# KiCad board panel.kicad_pcb
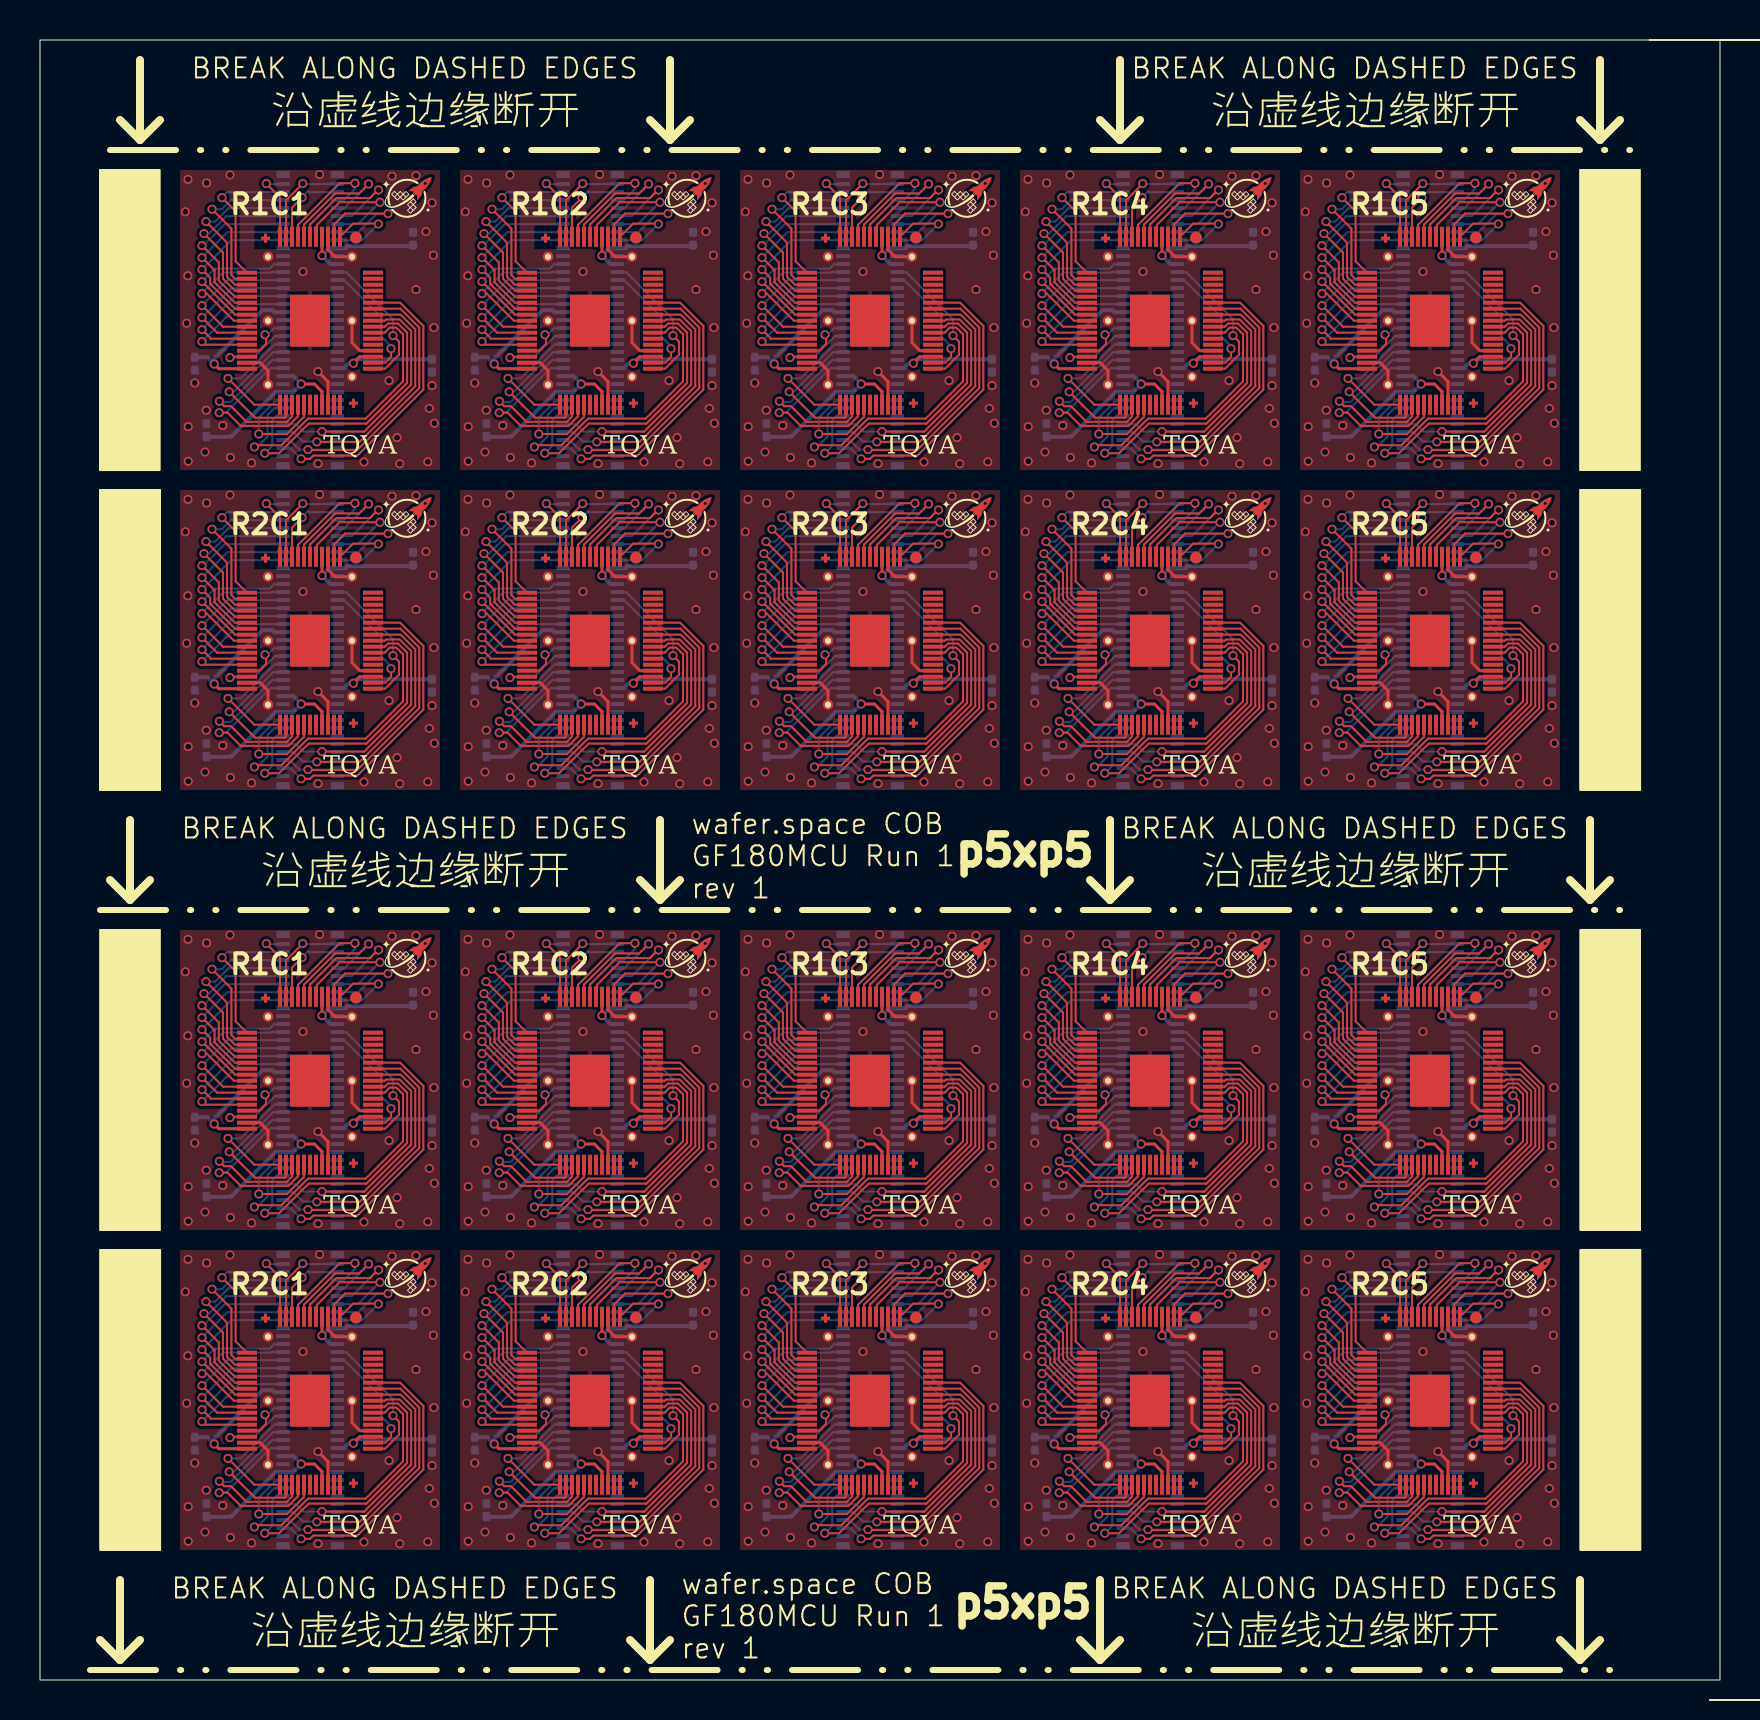
[diagram p0: board, top side]
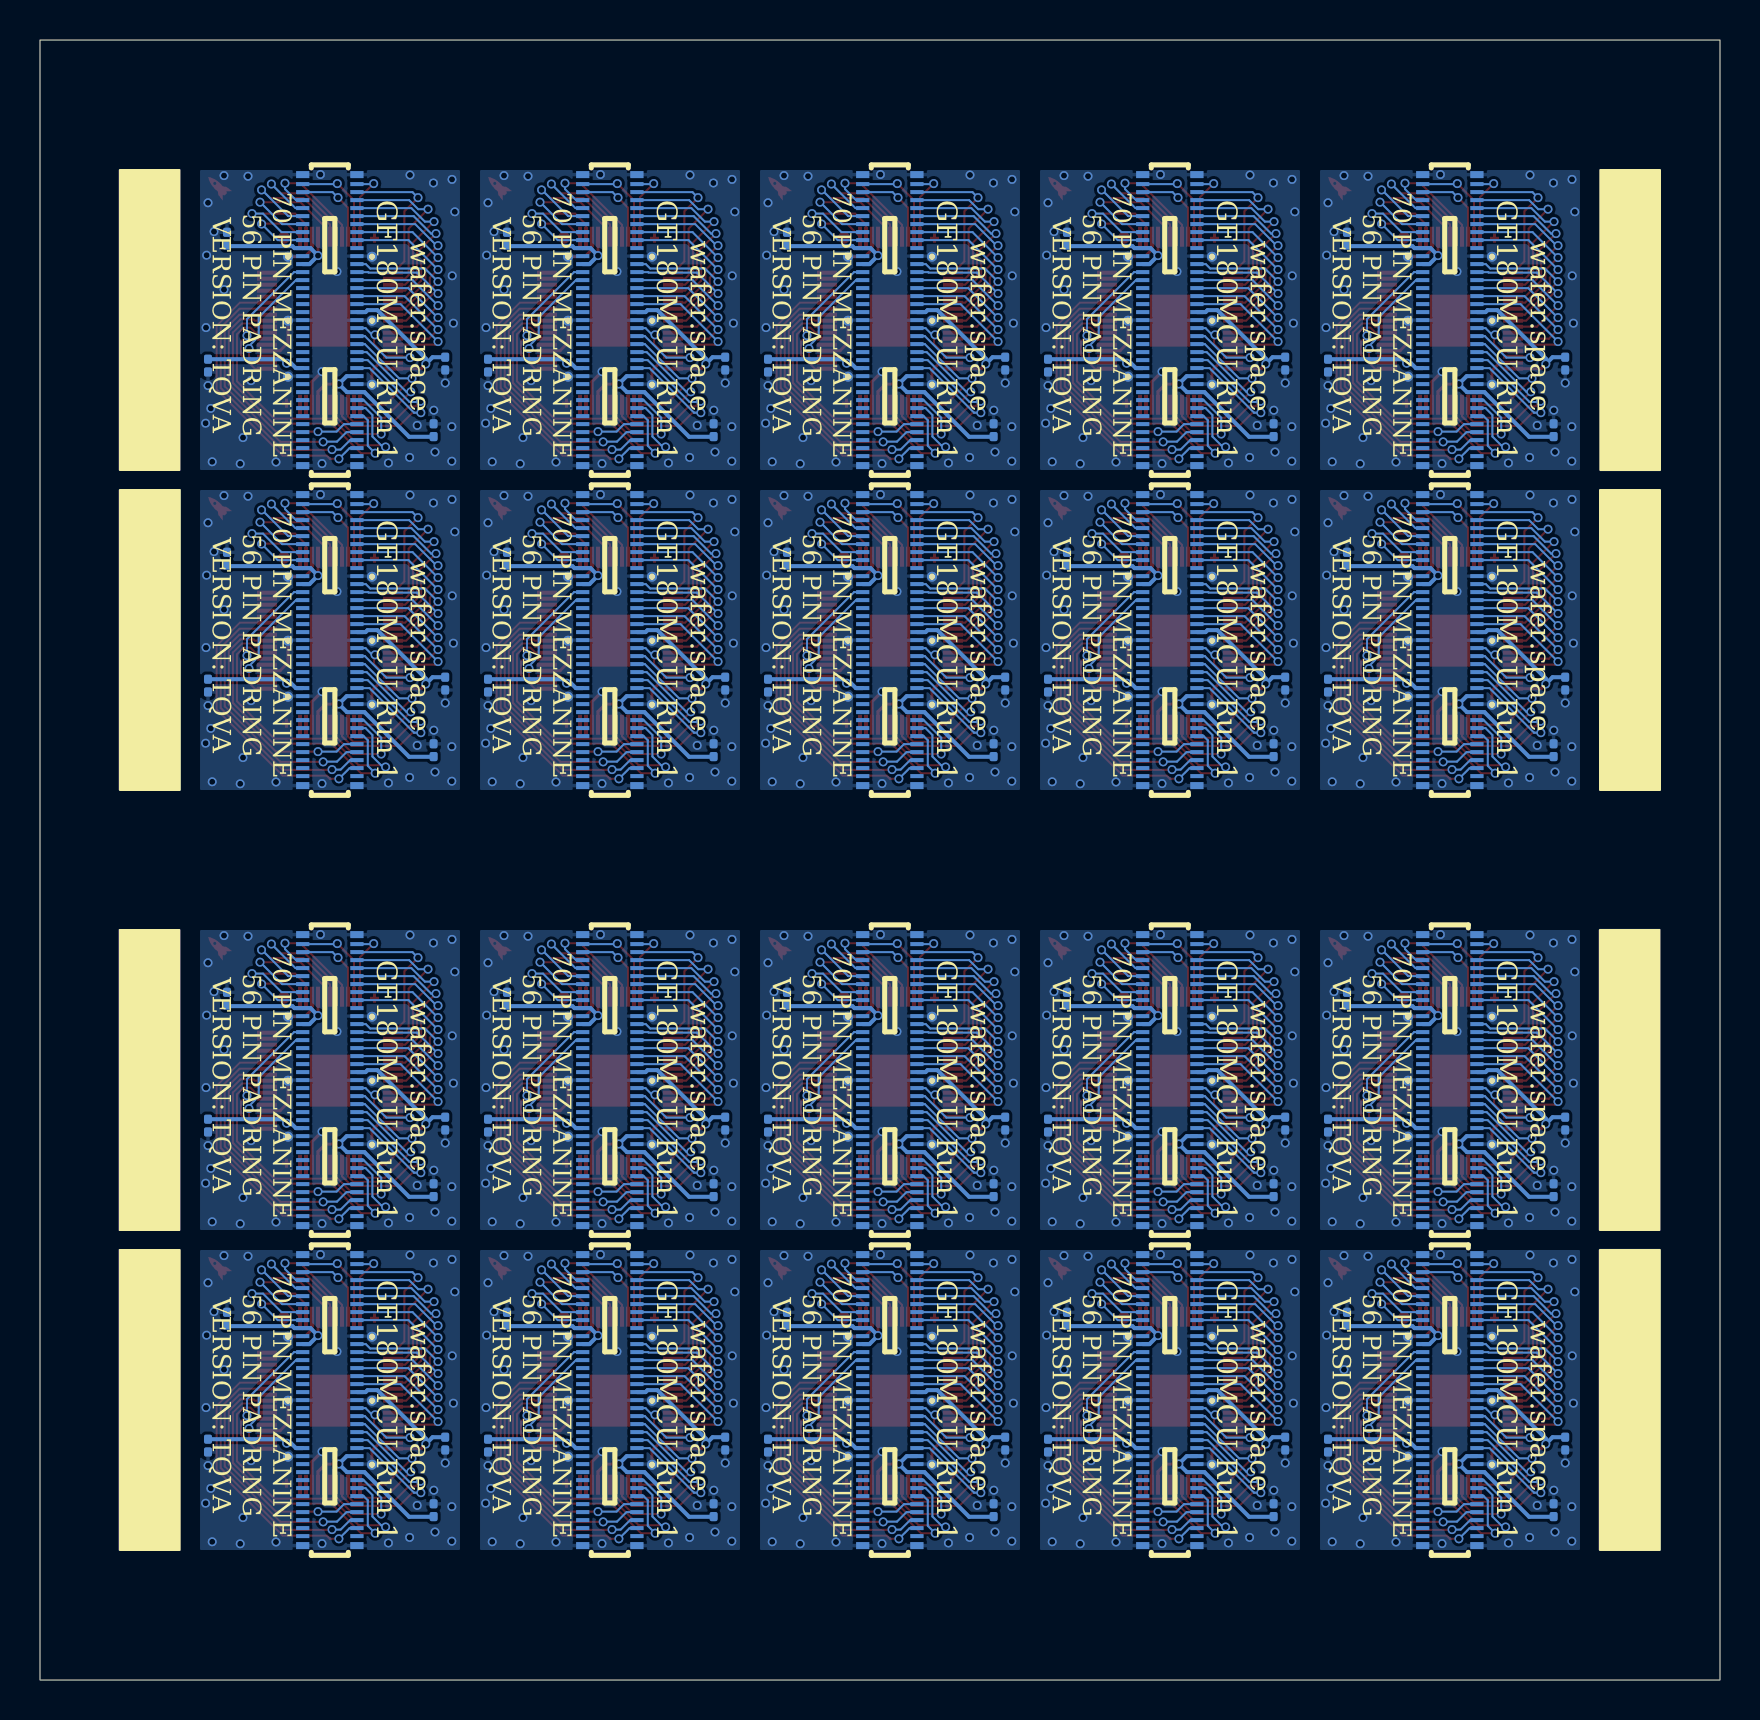
[diagram p1: board, bottom side, seen from below]

Outline 84 x 82 mm; copper layers: Top, Bottom. Coordinates in mm from the lower left corner of the outline.
Outline path: rectangle 0,82 84,0
Stack: Top 0.0175mm / dielectric 1.1533mm FR4 er 4.5 / Bottom 0.0175mm

## Placement (name value [footprint] x y rotation side)
C101  C_Small  [C_0201_0603Metric]  7.74 27.82 270 bottom
C101#2  C_Small  [C_0201_0603Metric]  7.74 65.82 270 bottom
C102  C_Small  [C_0201_0603Metric]  18.65 34.06 90 bottom
C102#2  C_Small  [C_0201_0603Metric]  18.65 72.06 90 bottom
C103  C_Small  [C_0201_0603Metric]  21.74 65.82 270 bottom
C103#2  C_Small  [C_0201_0603Metric]  21.74 27.82 270 bottom
C104  C_Small  [C_0201_0603Metric]  19.6 65.72 270 bottom
C104#2  C_Small  [C_0201_0603Metric]  19.6 27.72 270 bottom
C105  C_Small  [C_0201_0603Metric]  32.65 34.06 90 bottom
C105#2  C_Small  [C_0201_0603Metric]  32.65 72.06 90 bottom
C106  C_Small  [C_0201_0603Metric]  33.6 65.72 270 bottom
C106#2  C_Small  [C_0201_0603Metric]  33.6 27.72 270 bottom
C107  C_Small  [C_0201_0603Metric]  35.74 65.82 270 bottom
C107#2  C_Small  [C_0201_0603Metric]  35.74 27.82 270 bottom
C108  C_Small  [C_0201_0603Metric]  8.32 62.49 90 bottom
C108#2  C_Small  [C_0201_0603Metric]  8.32 24.49 90 bottom
C109  C_Small  [C_0201_0603Metric]  22.32 24.49 90 bottom
C109#2  C_Small  [C_0201_0603Metric]  22.32 62.49 90 bottom
C110  C_Small  [C_0201_0603Metric]  46.65 34.06 90 bottom
C110#2  C_Small  [C_0201_0603Metric]  46.65 72.06 90 bottom
C111  C_Small  [C_0201_0603Metric]  47.6 27.72 270 bottom
C111#2  C_Small  [C_0201_0603Metric]  47.6 65.72 270 bottom
C112  C_Small  [C_0201_0603Metric]  36.32 24.49 90 bottom
C112#2  C_Small  [C_0201_0603Metric]  36.32 62.49 90 bottom
C113  C_Small  [C_0201_0603Metric]  49.74 65.82 270 bottom
C113#2  C_Small  [C_0201_0603Metric]  49.74 27.82 270 bottom
C114  C_Small  [C_0201_0603Metric]  60.65 72.06 90 bottom
C114#2  C_Small  [C_0201_0603Metric]  60.65 34.06 90 bottom
C115  C_Small  [C_0201_0603Metric]  61.6 65.72 270 bottom
C115#2  C_Small  [C_0201_0603Metric]  61.6 27.72 270 bottom
C116  C_Small  [C_0201_0603Metric]  50.32 24.49 90 bottom
C116#2  C_Small  [C_0201_0603Metric]  50.32 62.49 90 bottom
C117  C_Small  [C_0201_0603Metric]  63.74 27.82 270 bottom
C117#2  C_Small  [C_0201_0603Metric]  63.74 65.82 270 bottom
C118  C_Small  [C_0201_0603Metric]  74.65 72.06 90 bottom
C118#2  C_Small  [C_0201_0603Metric]  74.65 34.06 90 bottom
C119  C_Small  [C_0201_0603Metric]  75.6 27.72 270 bottom
C119#2  C_Small  [C_0201_0603Metric]  75.6 65.72 270 bottom
C120  C_Small  [C_0201_0603Metric]  64.32 62.49 90 bottom
C120#2  C_Small  [C_0201_0603Metric]  64.32 24.49 90 bottom
C121  C_Small  [C_0201_0603Metric]  7.74 49.82 270 bottom
C121#2  C_Small  [C_0201_0603Metric]  7.74 11.82 270 bottom
C122  C_Small  [C_0201_0603Metric]  18.65 56.06 90 bottom
C122#2  C_Small  [C_0201_0603Metric]  18.65 18.06 90 bottom
C123  C_Small  [C_0201_0603Metric]  19.6 11.72 270 bottom
C123#2  C_Small  [C_0201_0603Metric]  19.6 49.72 270 bottom
C124  C_Small  [C_0201_0603Metric]  8.32 8.49 90 bottom
C124#2  C_Small  [C_0201_0603Metric]  8.32 46.49 90 bottom
C125  C_Small  [C_0201_0603Metric]  21.74 11.82 270 bottom
C125#2  C_Small  [C_0201_0603Metric]  21.74 49.82 270 bottom
C126  C_Small  [C_0201_0603Metric]  32.65 18.06 90 bottom
C126#2  C_Small  [C_0201_0603Metric]  32.65 56.06 90 bottom
C127  C_Small  [C_0201_0603Metric]  33.6 49.72 270 bottom
C127#2  C_Small  [C_0201_0603Metric]  33.6 11.72 270 bottom
C128  C_Small  [C_0201_0603Metric]  22.32 46.49 90 bottom
C128#2  C_Small  [C_0201_0603Metric]  22.32 8.49 90 bottom
C129  C_Small  [C_0201_0603Metric]  35.74 49.82 270 bottom
C129#2  C_Small  [C_0201_0603Metric]  35.74 11.82 270 bottom
C130  C_Small  [C_0201_0603Metric]  46.65 56.06 90 bottom
C130#2  C_Small  [C_0201_0603Metric]  46.65 18.06 90 bottom
C131  C_Small  [C_0201_0603Metric]  47.6 49.72 270 bottom
C131#2  C_Small  [C_0201_0603Metric]  47.6 11.72 270 bottom
C132  C_Small  [C_0201_0603Metric]  36.32 46.49 90 bottom
C132#2  C_Small  [C_0201_0603Metric]  36.32 8.49 90 bottom
C133  C_Small  [C_0201_0603Metric]  49.74 11.82 270 bottom
C133#2  C_Small  [C_0201_0603Metric]  49.74 49.82 270 bottom
C134  C_Small  [C_0201_0603Metric]  60.65 18.06 90 bottom
C134#2  C_Small  [C_0201_0603Metric]  60.65 56.06 90 bottom
C135  C_Small  [C_0201_0603Metric]  61.6 11.72 270 bottom
C135#2  C_Small  [C_0201_0603Metric]  61.6 49.72 270 bottom
C136  C_Small  [C_0201_0603Metric]  50.32 8.49 90 bottom
C136#2  C_Small  [C_0201_0603Metric]  50.32 46.49 90 bottom
C137  C_Small  [C_0201_0603Metric]  63.74 49.82 270 bottom
C137#2  C_Small  [C_0201_0603Metric]  63.74 11.82 270 bottom
C138  C_Small  [C_0201_0603Metric]  74.65 56.06 90 bottom
C138#2  C_Small  [C_0201_0603Metric]  74.65 18.06 90 bottom
C139  C_Small  [C_0201_0603Metric]  75.6 49.72 270 bottom
C139#2  C_Small  [C_0201_0603Metric]  75.6 11.72 270 bottom
C140  C_Small  [C_0201_0603Metric]  64.32 8.49 90 bottom
C140#2  C_Small  [C_0201_0603Metric]  64.32 46.49 90 bottom
G***  LOGO  [waferspace_pin1_silk]  18.4 74.22 0 top
G***1  LOGO  [waferspace_pin1_silk]  32.4 74.22 0 top
G***1#2  LOGO  [waferspace_pin1_silk]  32.4 36.22 0 top
G***2  LOGO  [waferspace_pin1_silk]  46.4 74.22 0 top
G***2#2  LOGO  [waferspace_pin1_silk]  46.4 36.22 0 top
G***3  LOGO  [waferspace_pin1_silk]  60.4 36.22 0 top
G***3#2  LOGO  [waferspace_pin1_silk]  60.4 74.22 0 top
G***4  LOGO  [waferspace_pin1_silk]  74.4 36.22 0 top
G***4#2  LOGO  [waferspace_pin1_silk]  74.4 74.22 0 top
G***5  LOGO  [waferspace_pin1_silk]  18.4 58.22 0 top
G***5#2  LOGO  [waferspace_pin1_silk]  18.4 20.22 0 top
G***6  LOGO  [waferspace_pin1_silk]  32.4 20.22 0 top
G***6#2  LOGO  [waferspace_pin1_silk]  32.4 58.22 0 top
G***7  LOGO  [waferspace_pin1_silk]  46.4 58.22 0 top
G***7#2  LOGO  [waferspace_pin1_silk]  46.4 20.22 0 top
G***8  LOGO  [waferspace_pin1_silk]  60.4 58.22 0 top
G***8#2  LOGO  [waferspace_pin1_silk]  60.4 20.22 0 top
G***9  LOGO  [waferspace_pin1_silk]  74.4 58.22 0 top
G***9#2  LOGO  [waferspace_pin1_silk]  74.4 20.22 0 top
G***#2  LOGO  [waferspace_pin1_silk]  18.4 36.22 0 top
U101  ~  [CONN-SMD_70P-P0.40_HCTL_HC-PBB40C-70DP-0.4V-02]  13.51 68 270 bottom
U101#2  ~  [CONN-SMD_70P-P0.40_HCTL_HC-PBB40C-70DP-0.4V-02]  13.51 30 270 bottom
U102  ~  [waferspace_p5xp5_padring]  13.5 67.97 0 top
U102#2  ~  [waferspace_p5xp5_padring]  13.5 29.97 0 top
U103  ~  [CONN-SMD_70P-P0.40_HCTL_HC-PBB40C-70DP-0.4V-02]  27.51 68 270 bottom
U103#2  ~  [CONN-SMD_70P-P0.40_HCTL_HC-PBB40C-70DP-0.4V-02]  27.51 30 270 bottom
U104  ~  [waferspace_p5xp5_padring]  27.5 67.97 0 top
U104#2  ~  [waferspace_p5xp5_padring]  27.5 29.97 0 top
U105  ~  [CONN-SMD_70P-P0.40_HCTL_HC-PBB40C-70DP-0.4V-02]  41.51 68 270 bottom
U105#2  ~  [CONN-SMD_70P-P0.40_HCTL_HC-PBB40C-70DP-0.4V-02]  41.51 30 270 bottom
U106  ~  [waferspace_p5xp5_padring]  41.5 29.97 0 top
U106#2  ~  [waferspace_p5xp5_padring]  41.5 67.97 0 top
U107  ~  [CONN-SMD_70P-P0.40_HCTL_HC-PBB40C-70DP-0.4V-02]  55.51 68 270 bottom
U107#2  ~  [CONN-SMD_70P-P0.40_HCTL_HC-PBB40C-70DP-0.4V-02]  55.51 30 270 bottom
U108  ~  [waferspace_p5xp5_padring]  55.5 29.97 0 top
U108#2  ~  [waferspace_p5xp5_padring]  55.5 67.97 0 top
U109  ~  [CONN-SMD_70P-P0.40_HCTL_HC-PBB40C-70DP-0.4V-02]  69.51 68 270 bottom
U109#2  ~  [CONN-SMD_70P-P0.40_HCTL_HC-PBB40C-70DP-0.4V-02]  69.51 30 270 bottom
U110  ~  [waferspace_p5xp5_padring]  69.5 29.97 0 top
U110#2  ~  [waferspace_p5xp5_padring]  69.5 67.97 0 top
U111  ~  [CONN-SMD_70P-P0.40_HCTL_HC-PBB40C-70DP-0.4V-02]  13.51 52 270 bottom
U111#2  ~  [CONN-SMD_70P-P0.40_HCTL_HC-PBB40C-70DP-0.4V-02]  13.51 14 270 bottom
U112  ~  [waferspace_p5xp5_padring]  13.5 51.97 0 top
U112#2  ~  [waferspace_p5xp5_padring]  13.5 13.97 0 top
U113  ~  [CONN-SMD_70P-P0.40_HCTL_HC-PBB40C-70DP-0.4V-02]  27.51 14 270 bottom
U113#2  ~  [CONN-SMD_70P-P0.40_HCTL_HC-PBB40C-70DP-0.4V-02]  27.51 52 270 bottom
U114  ~  [waferspace_p5xp5_padring]  27.5 13.97 0 top
U114#2  ~  [waferspace_p5xp5_padring]  27.5 51.97 0 top
U115  ~  [CONN-SMD_70P-P0.40_HCTL_HC-PBB40C-70DP-0.4V-02]  41.51 52 270 bottom
U115#2  ~  [CONN-SMD_70P-P0.40_HCTL_HC-PBB40C-70DP-0.4V-02]  41.51 14 270 bottom
U116  ~  [waferspace_p5xp5_padring]  41.5 51.97 0 top
U116#2  ~  [waferspace_p5xp5_padring]  41.5 13.97 0 top
U117  ~  [CONN-SMD_70P-P0.40_HCTL_HC-PBB40C-70DP-0.4V-02]  55.51 14 270 bottom
U117#2  ~  [CONN-SMD_70P-P0.40_HCTL_HC-PBB40C-70DP-0.4V-02]  55.51 52 270 bottom
U118  ~  [waferspace_p5xp5_padring]  55.5 51.97 0 top
U118#2  ~  [waferspace_p5xp5_padring]  55.5 13.97 0 top
U119  ~  [CONN-SMD_70P-P0.40_HCTL_HC-PBB40C-70DP-0.4V-02]  69.51 52 270 bottom
U119#2  ~  [CONN-SMD_70P-P0.40_HCTL_HC-PBB40C-70DP-0.4V-02]  69.51 14 270 bottom
U120  ~  [waferspace_p5xp5_padring]  69.5 51.97 0 top
U120#2  ~  [waferspace_p5xp5_padring]  69.5 13.97 0 top

## Library data of the parts
C101 C101#2 C102 C102#2 C103 C103#2 C104 C104#2 C105 C105#2 C106 C106#2 C107 C107#2 C108 C108#2 C109 C109#2 C110 C110#2 C111 C111#2 C112 C112#2 C113 C113#2 C114 C114#2 C115 C115#2 C116 C116#2 C117 C117#2 C118 C118#2 C119 C119#2 C120 C120#2 C121 C121#2 C122 C122#2 C123 C123#2 C124 C124#2 C125 C125#2 C126 C126#2 C127 C127#2 C128 C128#2 C129 C129#2 C130 C130#2 C131 C131#2 C132 C132#2 C133 C133#2 C134 C134#2 C135 C135#2 C136 C136#2 C137 C137#2 C138 C138#2 C139 C139#2 C140 C140#2 = -: Description: Unpolarized capacitor, small symbol; ki_fp_filters: C_*

## Footprints (pads in the part's own frame, mm; a bottom-side part is the same pattern mirrored in y, then rotated)
C_0201_0603Metric
  rrect 0.318x0.36 smd: (-0.345,0) (0.345,0)
  rrect 0.46x0.4 smd: 1(-0.32,0) 2(0.32,0)
CONN-SMD_70P-P0.40_HCTL_HC-PBB40C-70DP-0.4V-02
  rect 0.2x0.66 smd: 1(-6.8,-1.355) 2(-6.4,-1.355) 3(-6,-1.355) 4(-5.6,-1.355) 5(-5.2,-1.355) 6(-4.8,-1.355) 7(-4.4,-1.355) 8(-4,-1.355) 9(-3.6,-1.355) 10(-3.2,-1.355) 11(-2.8,-1.355) 12(-2.4,-1.355) 13(-2,-1.355) 14(-1.6,-1.355) 15(-1.2,-1.355) 16(-0.8,-1.355) 17(-0.4,-1.355) 18(0,-1.355) 19(0.4,-1.355) 20(0.8,-1.355) 21(1.2,-1.355) 22(1.6,-1.355) 23(2,-1.355) 24(2.4,-1.355) 25(2.8,-1.355) 26(3.2,-1.355) 27(3.6,-1.355) 28(4,-1.355) 29(4.4,-1.355) 30(4.8,-1.355) 31(5.2,-1.355) 32(5.6,-1.355) 33(6,-1.355) 34(6.4,-1.355) 35(6.8,-1.355) 36(6.8,1.355) 37(6.4,1.355) 38(6,1.355) 39(5.6,1.355) 40(5.2,1.355) 41(4.8,1.355) 42(4.4,1.355) 43(4,1.355) 44(3.6,1.355) 45(3.2,1.355) 46(2.8,1.355) 47(2.4,1.355) 48(2,1.355) 49(1.6,1.355) 50(1.2,1.355) 51(0.8,1.355) 52(0.4,1.355) 53(0,1.355) 54(-0.4,1.355) 55(-0.8,1.355) 56(-1.2,1.355) 57(-1.6,1.355) 58(-2,1.355) 59(-2.4,1.355) 60(-2.8,1.355) 61(-3.2,1.355) 62(-3.6,1.355) 63(-4,1.355) 64(-4.4,1.355) 65(-4.8,1.355) 66(-5.2,1.355) 67(-5.6,1.355) 68(-6,1.355) 69(-6.4,1.355) 70(-6.8,1.355)
  rect 0.35x0.66 smd: MP(-7.275,-1.355) MP(-7.275,1.355) MP(7.275,-1.355) MP(7.275,1.355)
waferspace_p5xp5_padring
  rect 0.2x1 smd: 1(1.5,4.2) 2(1.2,4.2) 3(0.9,4.2) 4(0.6,4.2) 5(0.3,4.2) 6(0,4.2) 7(-0.3,4.2) 8(-0.6,4.2) 9(-0.9,4.2) 10(-1.2,4.2) 11(-1.5,4.2) 29(-1.5,-4.2) 30(-1.2,-4.2) 31(-0.9,-4.2) 32(-0.6,-4.2) 33(-0.3,-4.2) 34(0,-4.2) 35(0.3,-4.2) 36(0.6,-4.2) 37(0.9,-4.2) 38(1.2,-4.2) 39(1.5,-4.2)
  rect 1x0.2 smd: 12(-3.15,2.4) 13(-3.15,2.1) 14(-3.15,1.8) 15(-3.15,1.5) 16(-3.15,1.2) 17(-3.15,0.9) 18(-3.15,0.6) 19(-3.15,0.3) 20(-3.15,0) 21(-3.15,-0.3) 22(-3.15,-0.6) 23(-3.15,-0.9) 24(-3.15,-1.2) 25(-3.15,-1.5) 26(-3.15,-1.8) 27(-3.15,-2.1) 28(-3.15,-2.4) 40(3.15,-2.4) 41(3.15,-2.1) 42(3.15,-1.8) 43(3.15,-1.5) 44(3.15,-1.2) 45(3.15,-0.9) 46(3.15,-0.6) 47(3.15,-0.3) 48(3.15,0) 49(3.15,0.3) 50(3.15,0.6) 51(3.15,0.9) 52(3.15,1.2) 53(3.15,1.5) 54(3.15,1.8) 55(3.15,2.1) 56(3.15,2.4)
  rrect 2x2.6 smd: 57(0,0)
  round 0.5 hole 0.3: 58(2.1,-2.8) 59(2.1,0) 60(2.1,3.2) 61(-2.1,3.2) 62(-2.1,0) 63(-2.1,-3.2)

## Nets
GND: C101.2 C101#2.2 C102.2 C102#2.2 C103.2 C103#2.2 C104.2 C104#2.2 C105.2 C105#2.2 C106.2 C106#2.2 C107.2 C107#2.2 C108.2 C108#2.2 C109.2 C109#2.2 C110.2 C110#2.2 C111.2 C111#2.2 C112.2 C112#2.2 C113.2 C113#2.2 C114.2 C114#2.2 C115.2 C115#2.2 C116.2 C116#2.2 C117.2 C117#2.2 C118.2 C118#2.2 C119.2 C119#2.2 C120.2 C120#2.2 C121.2 C121#2.2 C122.2 C122#2.2 C123.2 C123#2.2 C124.2 C124#2.2 C125.2 C125#2.2 C126.2 C126#2.2 C127.2 C127#2.2 C128.2 C128#2.2 C129.2 C129#2.2 C130.2 C130#2.2 C131.2 C131#2.2 C132.2 C132#2.2 C133.2 C133#2.2 C134.2 C134#2.2 C135.2 C135#2.2 C136.2 C136#2.2 C137.2 C137#2.2 C138.2 C138#2.2 C139.2 C139#2.2 C140.2 C140#2.2 U101.10 U101.18 U101.25 U101.45 U101.53 U101.61 U101.MP U101#2.10 U101#2.18 U101#2.25 U101#2.45 U101#2.53 U101#2.61 U101#2.MP U102.3 U102.27 U102.37 U102.43 U102.57 U102.58 U102.59 U102.60 U102.61 U102.62 U102.63 U102#2.3 U102#2.27 U102#2.37 U102#2.43 U102#2.57 U102#2.58 U102#2.59 U102#2.60 U102#2.61 U102#2.62 U102#2.63 U103.10 U103.18 U103.25 U103.45 U103.53 U103.61 U103.MP U103#2.10 U103#2.18 U103#2.25 U103#2.45 U103#2.53 U103#2.61 U103#2.MP U104.3 U104.27 U104.37 U104.43 U104.57 U104.58 U104.59 U104.60 U104.61 U104.62 U104.63 U104#2.3 U104#2.27 U104#2.37 U104#2.43 U104#2.57 U104#2.58 U104#2.59 U104#2.60 U104#2.61 U104#2.62 U104#2.63 U105.10 U105.18 U105.25 U105.45 U105.53 U105.61 U105.MP U105#2.10 U105#2.18 U105#2.25 U105#2.45 U105#2.53 U105#2.61 U105#2.MP U106.3 U106.27 U106.37 U106.43 U106.57 U106.58 U106.59 U106.60 U106.61 U106.62 U106.63 U106#2.3 U106#2.27 U106#2.37 U106#2.43 U106#2.57 U106#2.58 U106#2.59 U106#2.60 U106#2.61 U106#2.62 U106#2.63 U107.10 U107.18 U107.25 U107.45 U107.53 U107.61 U107.MP U107#2.10 U107#2.18 U107#2.25 U107#2.45 U107#2.53 U107#2.61 U107#2.MP U108.3 U108.27 U108.37 U108.43 U108.57 U108.58 U108.59 U108.60 U108.61 U108.62 U108.63 U108#2.3 U108#2.27 U108#2.37 U108#2.43 U108#2.57 U108#2.58 U108#2.59 U108#2.60 U108#2.61 U108#2.62 U108#2.63 U109.10 U109.18 U109.25 U109.45 U109.53 U109.61 U109.MP U109#2.10 U109#2.18 U109#2.25 U109#2.45 U109#2.53 U109#2.61 U109#2.MP U110.3 U110.27 U110.37 U110.43 U110.57 U110.58 U110.59 U110.60 U110.61 U110.62 U110.63 U110#2.3 U110#2.27 U110#2.37 U110#2.43 U110#2.57 U110#2.58 U110#2.59 U110#2.60 U110#2.61 U110#2.62 U110#2.63 U111.10 U111.18 U111.25 U111.45 U111.53 U111.61 U111.MP U111#2.10 U111#2.18 U111#2.25 U111#2.45 U111#2.53 U111#2.61 U111#2.MP U112.3 U112.27 U112.37 U112.43 U112.57 U112.58 U112.59 U112.60 U112.61 U112.62 U112.63 U112#2.3 U112#2.27 U112#2.37 U112#2.43 U112#2.57 U112#2.58 U112#2.59 U112#2.60 U112#2.61 U112#2.62 U112#2.63 U113.10 U113.18 U113.25 U113.45 U113.53 U113.61 U113.MP U113#2.10 U113#2.18 U113#2.25 U113#2.45 U113#2.53 U113#2.61 U113#2.MP U114.3 U114.27 U114.37 U114.43 U114.57 U114.58 U114.59 U114.60 U114.61 U114.62 U114.63 U114#2.3 U114#2.27 U114#2.37 U114#2.43 U114#2.57 U114#2.58 U114#2.59 U114#2.60 U114#2.61 U114#2.62 U114#2.63 U115.10 U115.18 U115.25 U115.45 U115.53 U115.61 U115.MP U115#2.10 U115#2.18 U115#2.25 U115#2.45 U115#2.53 U115#2.61 U115#2.MP U116.3 U116.27 U116.37 U116.43 U116.57 U116.58 U116.59 U116.60 U116.61 U116.62 U116.63 U116#2.3 U116#2.27 U116#2.37 U116#2.43 U116#2.57 U116#2.58 U116#2.59 U116#2.60 U116#2.61 U116#2.62 U116#2.63 U117.10 U117.18 U117.25 U117.45 U117.53 U117.61 U117.MP U117#2.10 U117#2.18 U117#2.25 U117#2.45 U117#2.53 U117#2.61 U117#2.MP U118.3 U118.27 U118.37 U118.43 U118.57 U118.58 U118.59 U118.60 U118.61 U118.62 U118.63 U118#2.3 U118#2.27 U118#2.37 U118#2.43 U118#2.57 U118#2.58 U118#2.59 U118#2.60 U118#2.61 U118#2.62 U118#2.63 U119.10 U119.18 U119.25 U119.45 U119.53 U119.61 U119.MP U119#2.10 U119#2.18 U119#2.25 U119#2.45 U119#2.53 U119#2.61 U119#2.MP U120.3 U120.27 U120.37 U120.43 U120.57 U120.58 U120.59 U120.60 U120.61 U120.62 U120.63 U120#2.3 U120#2.27 U120#2.37 U120#2.43 U120#2.57 U120#2.58 U120#2.59 U120#2.60 U120#2.61 U120#2.62 U120#2.63
VDD_CORE_1: C104.1 C104#2.1 C106.1 C106#2.1 C111.1 C111#2.1 C115.1 C115#2.1 C119.1 C119#2.1 C123.1 C123#2.1 C127.1 C127#2.1 C131.1 C131#2.1 C135.1 C135#2.1 C139.1 C139#2.1 U101.24 U101#2.24 U102.42 U102#2.42 U103.24 U103#2.24 U104.42 U104#2.42 U105.24 U105#2.24 U106.42 U106#2.42 U107.24 U107#2.24 U108.42 U108#2.42 U109.24 U109#2.24 U110.42 U110#2.42 U111.24 U111#2.24 U112.42 U112#2.42 U113.24 U113#2.24 U114.42 U114#2.42 U115.24 U115#2.24 U116.42 U116#2.42 U117.24 U117#2.24 U118.42 U118#2.42 U119.24 U119#2.24 U120.42 U120#2.42
VDD_IO_1: C101.1 C101#2.1 C103.1 C103#2.1 C107.1 C107#2.1 C113.1 C113#2.1 C117.1 C117#2.1 C121.1 C121#2.1 C125.1 C125#2.1 C129.1 C129#2.1 C133.1 C133#2.1 C137.1 C137#2.1 U101.54 U101#2.54 U102.28 U102#2.28 U103.54 U103#2.54 U104.28 U104#2.28 U105.54 U105#2.54 U106.28 U106#2.28 U107.54 U107#2.54 U108.28 U108#2.28 U109.54 U109#2.54 U110.28 U110#2.28 U111.54 U111#2.54 U112.28 U112#2.28 U113.54 U113#2.54 U114.28 U114#2.28 U115.54 U115#2.54 U116.28 U116#2.28 U117.54 U117#2.54 U118.28 U118#2.28 U119.54 U119#2.54 U120.28 U120#2.28
VDD_IO_2: C108.1 C108#2.1 C109.1 C109#2.1 C112.1 C112#2.1 C116.1 C116#2.1 C120.1 C120#2.1 C124.1 C124#2.1 C128.1 C128#2.1 C132.1 C132#2.1 C136.1 C136#2.1 C140.1 C140#2.1 U101.44 U101.46 U101#2.44 U101#2.46 U102.36 U102#2.36 U103.44 U103.46 U103#2.44 U103#2.46 U104.36 U104#2.36 U105.44 U105.46 U105#2.44 U105#2.46 U106.36 U106#2.36 U107.44 U107.46 U107#2.44 U107#2.46 U108.36 U108#2.36 U109.44 U109.46 U109#2.44 U109#2.46 U110.36 U110#2.36 U111.44 U111.46 U111#2.44 U111#2.46 U112.36 U112#2.36 U113.44 U113.46 U113#2.44 U113#2.46 U114.36 U114#2.36 U115.44 U115.46 U115#2.44 U115#2.46 U116.36 U116#2.36 U117.44 U117.46 U117#2.44 U117#2.46 U118.36 U118#2.36 U119.44 U119.46 U119#2.44 U119#2.46 U120.36 U120#2.36
VDD_IO_3: C102.1 C102#2.1 C105.1 C105#2.1 C110.1 C110#2.1 C114.1 C114#2.1 C118.1 C118#2.1 C122.1 C122#2.1 C126.1 C126#2.1 C130.1 C130#2.1 C134.1 C134#2.1 C138.1 C138#2.1 U101.9 U101.11 U101#2.9 U101#2.11 U102.4 U102#2.4 U103.9 U103.11 U103#2.9 U103#2.11 U104.4 U104#2.4 U105.9 U105.11 U105#2.9 U105#2.11 U106.4 U106#2.4 U107.9 U107.11 U107#2.9 U107#2.11 U108.4 U108#2.4 U109.9 U109.11 U109#2.9 U109#2.11 U110.4 U110#2.4 U111.9 U111.11 U111#2.9 U111#2.11 U112.4 U112#2.4 U113.9 U113.11 U113#2.9 U113#2.11 U114.4 U114#2.4 U115.9 U115.11 U115#2.9 U115#2.11 U116.4 U116#2.4 U117.9 U117.11 U117#2.9 U117#2.11 U118.4 U118#2.4 U119.9 U119.11 U119#2.9 U119#2.11 U120.4 U120#2.4
/bidir_0: U101.6 U101#2.6 U102.5 U102#2.5 U103.6 U103#2.6 U104.5 U104#2.5 U105.6 U105#2.6 U106.5 U106#2.5 U107.6 U107#2.6 U108.5 U108#2.5 U109.6 U109#2.6 U110.5 U110#2.5 U111.6 U111#2.6 U112.5 U112#2.5 U113.6 U113#2.6 U114.5 U114#2.5 U115.6 U115#2.6 U116.5 U116#2.5 U117.6 U117#2.6 U118.5 U118#2.5 U119.6 U119#2.6 U120.5 U120#2.5
/bidir_1: U101.5 U101#2.5 U102.6 U102#2.6 U103.5 U103#2.5 U104.6 U104#2.6 U105.5 U105#2.5 U106.6 U106#2.6 U107.5 U107#2.5 U108.6 U108#2.6 U109.5 U109#2.5 U110.6 U110#2.6 U111.5 U111#2.5 U112.6 U112#2.6 U113.5 U113#2.5 U114.6 U114#2.6 U115.5 U115#2.5 U116.6 U116#2.6 U117.5 U117#2.5 U118.6 U118#2.6 U119.5 U119#2.5 U120.6 U120#2.6
/bidir_2: U101.4 U101#2.4 U102.7 U102#2.7 U103.4 U103#2.4 U104.7 U104#2.7 U105.4 U105#2.4 U106.7 U106#2.7 U107.4 U107#2.4 U108.7 U108#2.7 U109.4 U109#2.4 U110.7 U110#2.7 U111.4 U111#2.4 U112.7 U112#2.7 U113.4 U113#2.4 U114.7 U114#2.7 U115.4 U115#2.4 U116.7 U116#2.7 U117.4 U117#2.4 U118.7 U118#2.7 U119.4 U119#2.4 U120.7 U120#2.7
/bidir_3: U101.3 U101#2.3 U102.8 U102#2.8 U103.3 U103#2.3 U104.8 U104#2.8 U105.3 U105#2.3 U106.8 U106#2.8 U107.3 U107#2.3 U108.8 U108#2.8 U109.3 U109#2.3 U110.8 U110#2.8 U111.3 U111#2.3 U112.8 U112#2.8 U113.3 U113#2.3 U114.8 U114#2.8 U115.3 U115#2.3 U116.8 U116#2.8 U117.3 U117#2.3 U118.8 U118#2.8 U119.3 U119#2.3 U120.8 U120#2.8
/bidir_4: U101.2 U101#2.2 U102.9 U102#2.9 U103.2 U103#2.2 U104.9 U104#2.9 U105.2 U105#2.2 U106.9 U106#2.9 U107.2 U107#2.2 U108.9 U108#2.9 U109.2 U109#2.2 U110.9 U110#2.9 U111.2 U111#2.2 U112.9 U112#2.9 U113.2 U113#2.2 U114.9 U114#2.9 U115.2 U115#2.2 U116.9 U116#2.9 U117.2 U117#2.2 U118.9 U118#2.9 U119.2 U119#2.2 U120.9 U120#2.9
/bidir_5: U101.1 U101#2.1 U102.10 U102#2.10 U103.1 U103#2.1 U104.10 U104#2.10 U105.1 U105#2.1 U106.10 U106#2.10 U107.1 U107#2.1 U108.10 U108#2.10 U109.1 U109#2.1 U110.10 U110#2.10 U111.1 U111#2.1 U112.10 U112#2.10 U113.1 U113#2.1 U114.10 U114#2.10 U115.1 U115#2.1 U116.10 U116#2.10 U117.1 U117#2.1 U118.10 U118#2.10 U119.1 U119#2.1 U120.10 U120#2.10
/bidir_6: U101.70 U101#2.70 U102.11 U102#2.11 U103.70 U103#2.70 U104.11 U104#2.11 U105.70 U105#2.70 U106.11 U106#2.11 U107.70 U107#2.70 U108.11 U108#2.11 U109.70 U109#2.70 U110.11 U110#2.11 U111.70 U111#2.70 U112.11 U112#2.11 U113.70 U113#2.70 U114.11 U114#2.11 U115.70 U115#2.70 U116.11 U116#2.11 U117.70 U117#2.70 U118.11 U118#2.11 U119.70 U119#2.70 U120.11 U120#2.11